# Altium PCB LogBoard.PcbDoc
Units mil, origin at the board's own origin, x right, y up, seen from the top; angles counter-clockwise.
Board outline 3830 x 2505 mil, 2 copper layers (Top Layer, Bottom Layer), stack 12.8 mil thick; 138 components, 85 nets, 466 pads, 94 vias.
Unrouted connection lines stored in the file: 5.
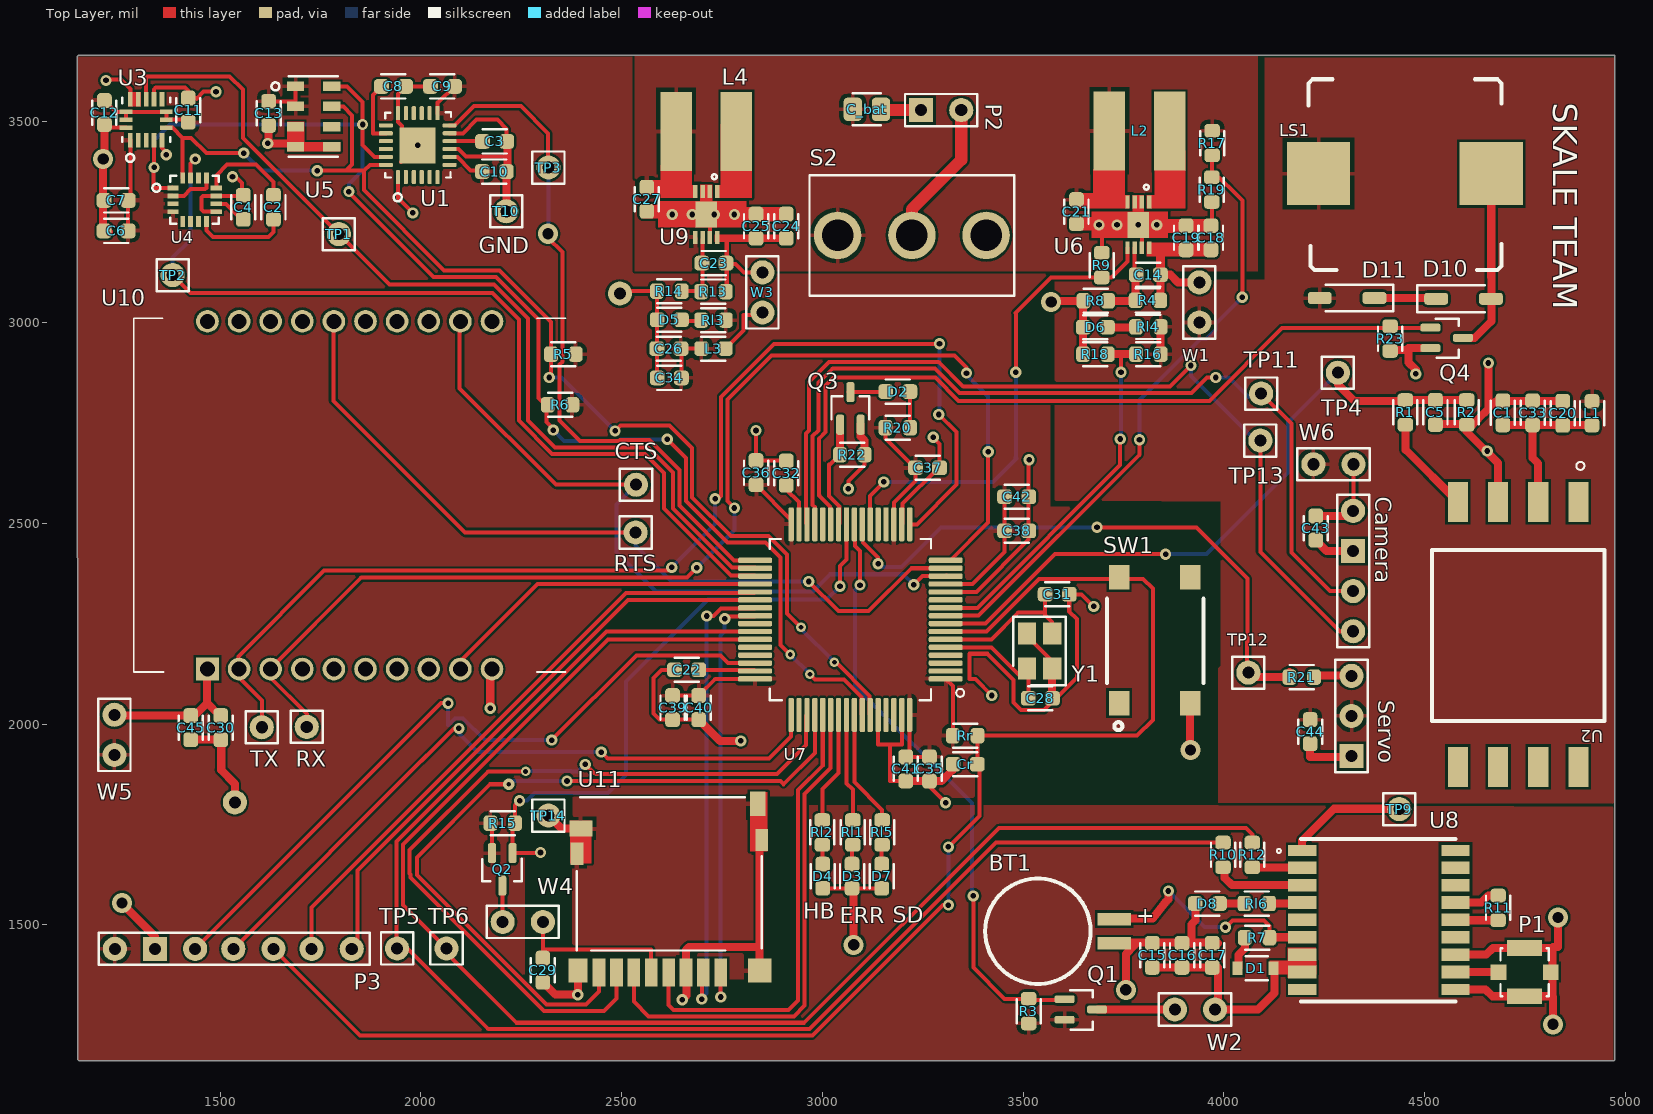
[diagram p0: Top Layer view]
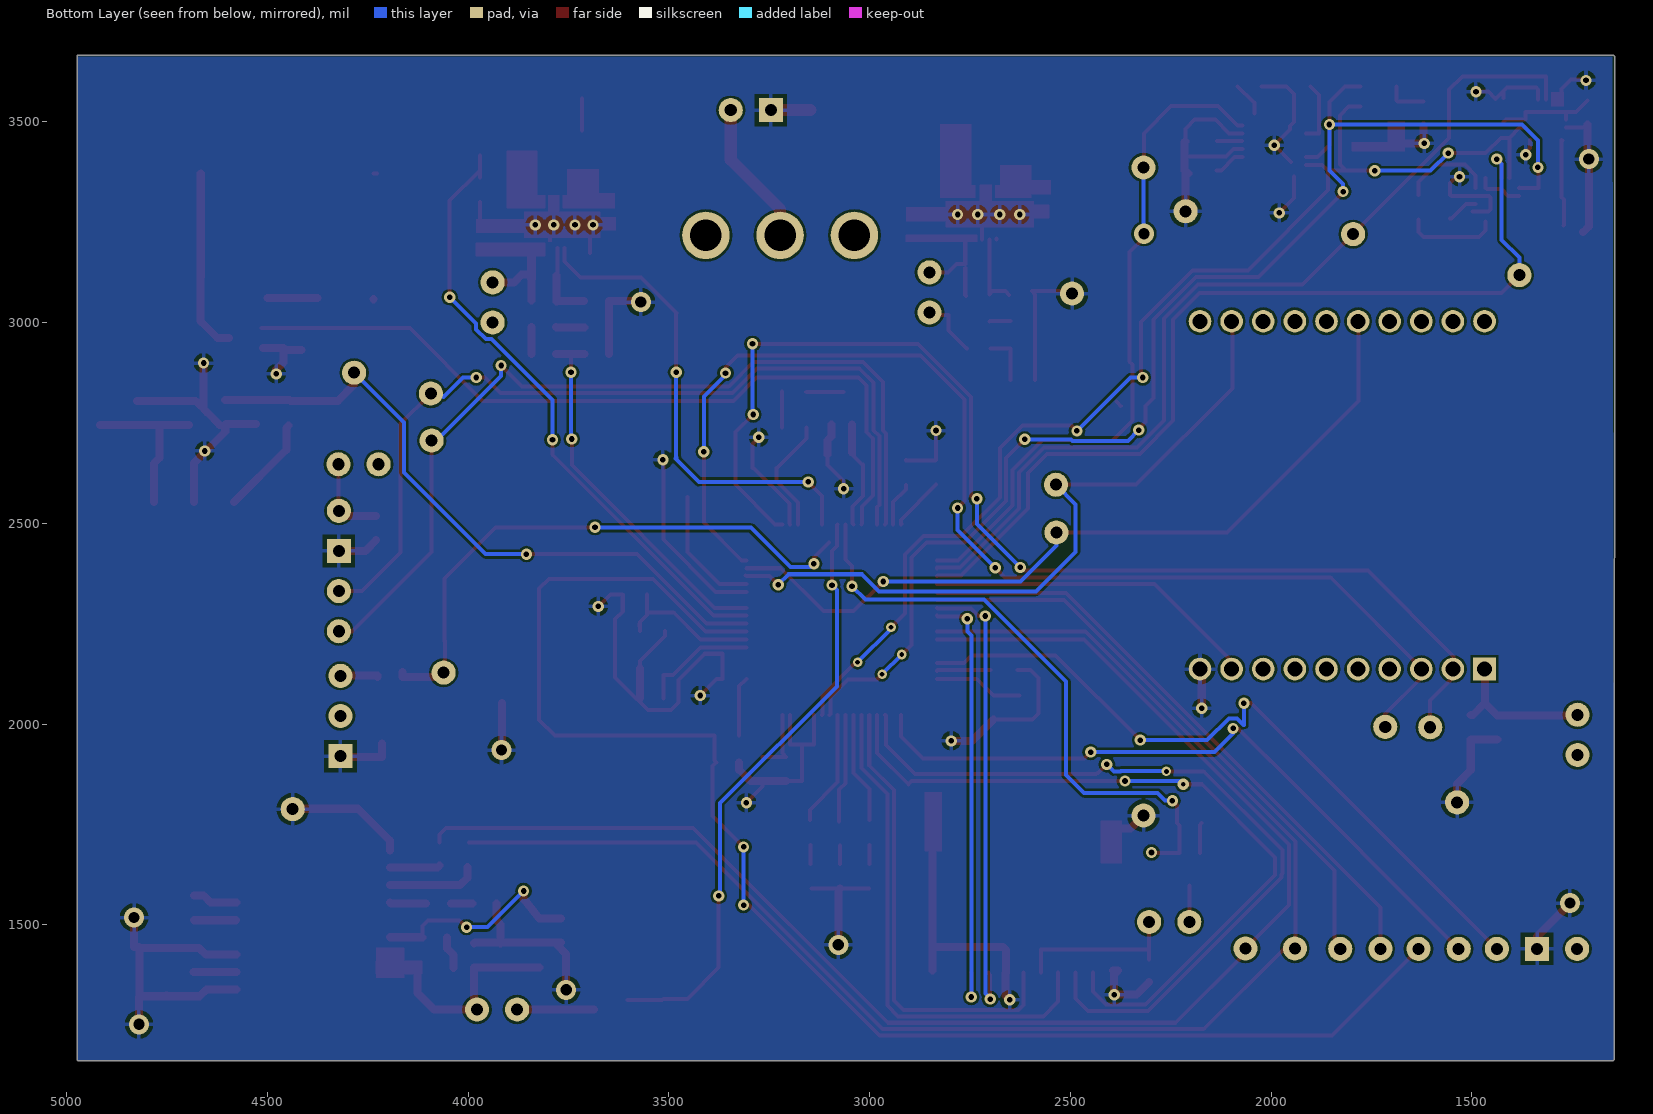
[diagram p1: Bottom Layer view, seen from below]
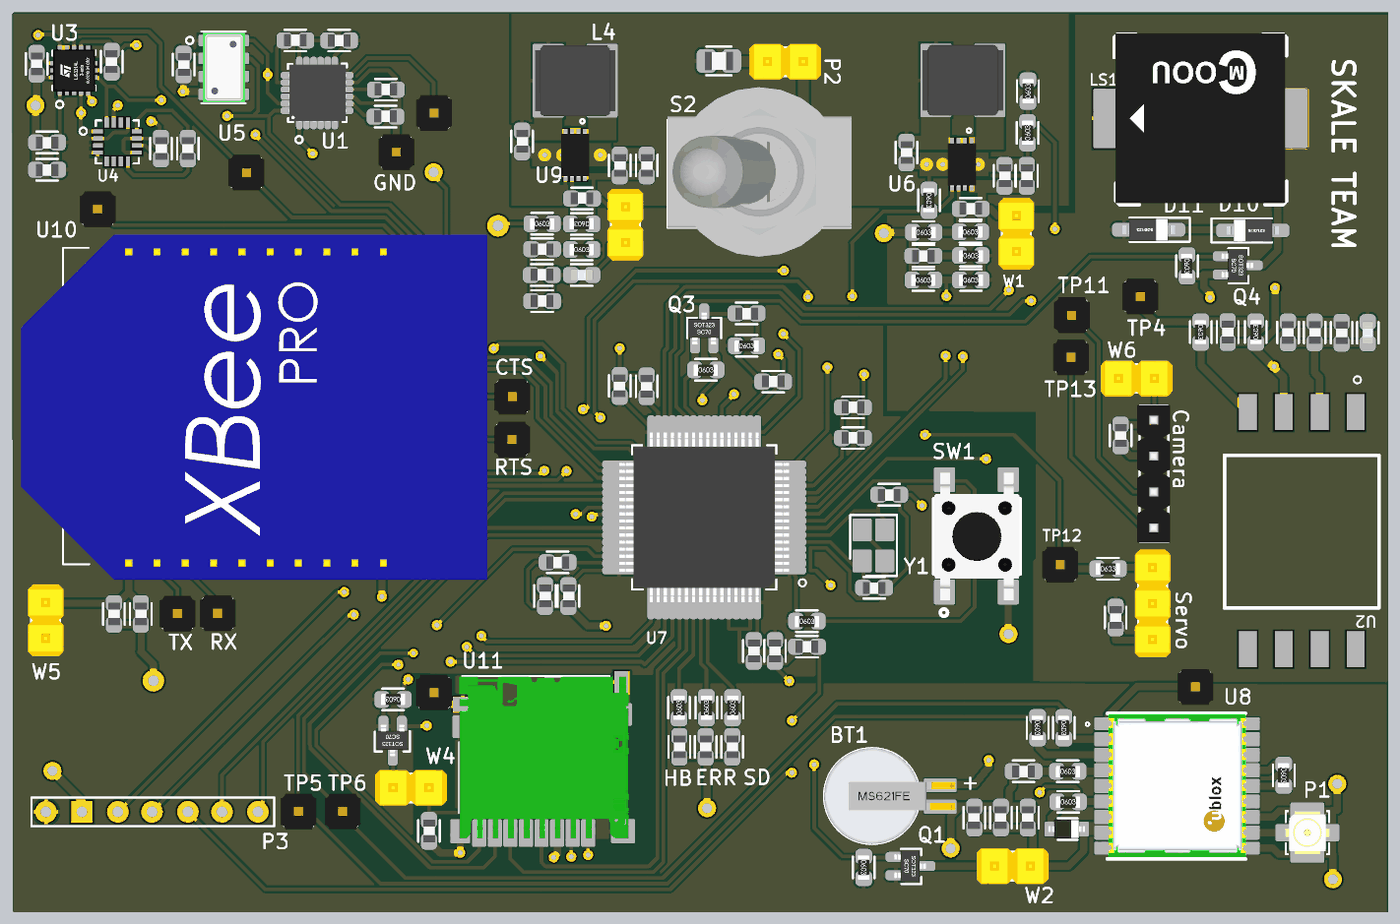
[diagram p2: 3D render of the assembled board from above, using the file's embedded part models]

## Layer stack, top to bottom
Top Solder: solder mask 0.4, Solder Resist, Dk 3.5
Top Layer: signal copper 1.4
Dielectric 1: core 10, FR-4, Dk 4.2
Bottom Layer: signal copper 1.4
Bottom Solder: solder mask 0.4, Solder Resist, Dk 3.5

## Board outline
1144,3662 1148,3666 4974,3666 4974,1163 4972,1161 1149,1161 1146,1164

## Design rules (kind name [scope] priority, off if disabled: settings)
Clearance [All] p1: gap=6 except(7: SMDPad-Text THPad-Text)
Height [All] p1: minheight=0 maxheight=2000 prefheight=500
HoleSize [All] p1: absolutevalues=TRUE maxlimit=250 minlimit=12 maxpercent=80.000 minpercent=20.000
MinimumSolderMaskSliver [All] p1: minsoldermaskwidth=3.94
PasteMaskExpansion [All] p1: expansion=4
PolygonConnect [All] p1: connectstyle=Relief reliefconductorwidth=10 reliefentries=4 polygonreliefangle="90 Angle" airgapwidth=10
RoutingVias [All] p1: holewidth=14 width=28 viastyle="Through Hole" minholewidth=12 minwidth=24 maxholewidth=128 maxwidth=30
SilkToSilkClearance [All] p1: silktosilkclearance=7
SilkToSolderMaskClearance [IsPad] p1: minsilkscreentomaskgap=6 clearancetoexposedcopper=TRUE
SolderMaskExpansion [All] p1: expansion=4
Width [All] p1: maxlimit=60 minlimit=6 preferedwidth=10 minimp=50.000000 maximp=50.000000 favimp=50.000000
24 further rules are at their usual default settings.

## Components (designator, comment, footprint, x,y, rotation, side; value= is the part's Value field where it differs from the comment)
BT1 "Battery" "BAT ANTENNA MS621FE-FL11E" 3727,1484 r0 top
C1 "Cap Semi" CAP_0603 4695,2775 r90 top
C2 "Cap Semi" CAP_0603 1633,3287 r90 top
C3 "Cap Semi" CAP_0603 2184,3451 r0 top
C4 "Cap Semi" CAP_0603 1558,3287 r270 top
C5 "Cap Semi" CAP_0603 4527,2776 r270 top
C6 "Cap Semi" CAP_0603 1241,3228 r180 top
C7 "Cap Semi" CAP_0603 1241,3304 r180 top
C8 "Cap Semi" CAP_0603 1932,3588 r0 top
C9 "Cap Semi" CAP_0603 2054,3588 r180 top
C10 "Cap Semi" CAP_0603 2183,3376 r0 top
C11 "Cap Semi" CAP_0603 1421,3529 r90 top
C12 "Cap Semi" CAP_0603 1212,3523 r270 top
C13 "Cap Semi" CAP_0603 1621,3521 r270 top
C14 "Cap Semi" CAP_0603 3812,3119 r0 top
C15 "Cap Semi" CAP_0603 3822,1424 r90 top
C16 "Cap Semi" CAP_0603 3896,1424 r90 top
C17 "Cap Semi" CAP_0603 3971,1424 r90 top
C18 "Cap Semi" CAP_0603 3968,3211 r270 top
C19 "Cap Semi" CAP_0603 3906,3211 r270 top
C20 "Cap Semi" CAP_0603 4844,2774 r270 top
C21 "Cap Semi" CAP_0603 3633,3276 r270 top
C22 "Cap Semi" CAP_0603 2662,2135 r180 top
C23 "Cap Semi" CAP_0603 2730,3148 r0 top
C24 "Cap Semi" CAP_0603 2910,3240 r270 top
C25 "Cap Semi" CAP_0603 2835,3240 r270 top
C26 "Cap Semi" CAP_0603 2618,2935 r0 top
C27 "Cap Semi" CAP_0603 2563,3307 r270 top
C28 "Cap Semi" CAP_0603 3543,2064 r180 top
C29 "Cap Semi" CAP_0603 2304,1387 r270 top
C30 "Cap Semi" CAP_0603 1502,1991 r270 top
C31 "Cap Semi" CAP_0603 3585,2323 r180 top
C32 "Cap Semi" CAP_0603 2910,2625 r90 top
C33 "Cap Semi" CAP_0603 4769,2775 r270 top
C34 "Cap Semi" CAP_0603 2619,2862 r0 top
C35 "Cap Semi" CAP_0603 3267,1888 r270 top
C36 "Cap Semi" CAP_0603 2835,2626 r90 top
C37 "Cap Semi" CAP_0603 3262,2638 r0 top
C38 "Cap Semi" CAP_0603 3484,2481 r0 top
C39 "Cap Semi" CAP_0603 2627,2041 r270 top
C40 "Cap Semi" CAP_0603 2692,2041 r270 top
C41 "Cap Semi" CAP_0603 3208,1888 r270 top
C42 "Cap Semi" CAP_0603 3484,2566 r0 top
C43 "Cap Semi" CAP_0603 4229,2488 r270 top
C44 "Cap Semi" CAP_0603 4215,1981 r270 top
C45 "Cap Semi" CAP_0603 1427,1991 r270 top
C_bat "Cap Semi" CAP_0805 3111,3531 r0 top (schematic designator C_bat1)
Camera "Camera Connector" "HEADER 4 CAMERA" 4322,2376 r270 top
Cr "Cap Semi" CAP_0603 3356,1900 r180 top
CTS "TP5" TP 2536,2596 r180 top
D1 "" "DIODE(SOD-323 )" 4079,1392 r180 top
D2 "LED2" CAP_0603 3188,2828 r180 top
D3 "LED2" CAP_0603 3074,1621 r270 top
D4 "LED2" CAP_0603 3001,1621 r270 top
D5 "LED2" CAP_0603 2619,3007 r180 top
D6 "LED2" CAP_0603 3680,2988 r180 top
D7 "LED2" CAP_0603 3148,1621 r270 top
D8 "LED2" CAP_0603 3959,1553 r180 top
D10 "D Zener" SOD3715X135M 4597,3059 r0 top
D11 "D Zener" SOD3715X135M 4307,3061 r180 top
L1 "Inductor" "INDUCTOR BLM" 4917,2774 r270 top
L2 "Inductor" "INDUCTOR LQH55D" 3790,3477 r0 top
L3 "Inductor" "INDUCTOR BLM" 2729,2935 r180 top
L4 "Inductor" "INDUCTOR LQH55D" 2711,3476 r0 top
LS1 "Buzzer" BUZZER 4451,3370.83 r180 top
P1 "COAX-M" "SMA CONNECTOR" 4759,1382 r270 top
P2 "Bat Con" BAT 3311,3524 r0 top
P3 "SWD" "HEADER 7 SWD" 1533,1440 r0 top
Q1 "MOSFET-P" "P-MOS (SOT323)" 3644,1289 r270 top
Q2 "MOSFET-P" "P-MOS (SOT323)" 2203,1638 r180 top
Q3 "MOSFET-N" "N-MOS (SOT323)" 3070,2786 r0 top
Q4 "MOSFET-N" "P-MOS (SOT323)" 4555,2961.83 r270 top
R1 "Res3" RES_0603 4452,2776 r270 top
R2 "Res3" RES_0603 4605,2776 r90 top
R3 "Res3" RES_0603 3514,1285 r270 top
R4 "Res3" RES_0603 3811,3055 r0 top
R5 "Res3" RES_0603 2355,2921 r0 top
R6 "Res3" RES_0603 2347,2795 r0 top
R7 "Res3" RES_0603 4083,1468 r0 top
R8 "Res3" RES_0603 3681,3054 r0 top
R9 "Res3" RES_0603 3696,3143 r270 top
R10 "Res3" RES_0603 3998,1674 r270 top
R11 "Res3" RES_0603 4683,1542 r270 top
R12 "Res3" RES_0603 4071,1674 r270 top
R13 "Res3" RES_0603 2729,3077 r180 top
R14 "Res3" RES_0603 2619,3078 r0 top
R15 "Res3" RES_0603 2204,1753 r180 top
R16 "Res3" RES_0603 3812,2921 r0 top
R17 "Res3" RES_0603 3971,3447 r90 top
R18 "Res3" RES_0603 3680,2921 r0 top
R19 "Res3" RES_0603 3970,3331 r90 top
R20 "Res3" RES_0603 3188,2738 r0 top
R21 "Res3" RES_0603 4194,2117 r0 top
R22 "Res3" RES_0603 3074.59,2671 r0 top
R23 "Res3" RES_0603 4414,2960 r270 top
Rl1 "Res3" RES_0603 3076,1730 r90 top
Rl2 "Res3" RES_0603 3000,1730 r90 top
Rl3 "Res3" RES_0603 2729,3006 r0 top
Rl4 "Res3" RES_0603 3812,2989 r0 top
Rl5 "Res3" RES_0603 3149,1730 r90 top
Rl6 "Res3" RES_0603 4082,1553 r0 top
Rr "Res3" RES_0603 3356,1971 r0 top
RTS "TP5" TP 2535,2477 r90 top
RX "TP5" TP 1716,1993 r90 top
S2 "SW-SPDT" SWITCH 3223,3217 r180 top
Servo "Servo_Con" "HEADER 3 SERVO" 4318,2020 r90 top
SW1 "PushButton" "PUSH BUTTON" 3739,2052 r90 top
T10 "GND" TP 2213,3277 r0 top
TP1 "TP1" TP 1796,3220 r0 top
TP2 "TP2" TP 1382,3118 r0 top
TP3 "TP3" TP 2318,3386 r90 top
TP4 "TP4" TP 4284,2875 r180 top
TP5 "TP5" TP 1941,1441 r0 top
TP6 "TP5" TP 2064,1441 r0 top
TP9 "GND" TP 4437,1788 r0 top
TP11 "TP5" TP 4093,2823 r0 top
TP12 "TP5" TP 4061,2128 r270 top
TP13 "TP5" TP 4091,2706 r0 top
TP14 "TP5" TP 2318,1772 r0 top
TX "TP5" TP 1604,1992 r90 top
U1 "MPU6050" MPU6050 1992.43,3441.76 r90 top
U2 "MPXV7002" SOP8_MPXV7002(PRIMARY) 4783,2223 r90 top
U3 "H3LIS331DL" H3LIS_HIGH_G 1316,3505 r90 top
U4 "HMC5883L" HMC5883L 1436.5,3305.5 r0 top
U5 "MS5611-01BA03" MS561101BA03-50 1733,3513 r0 top
U6 "LTC3539-2" LTC3539-2 3787,3243 r270 top
U7 "STM32F405" "MICROCONTROLLER (LQFP)" 3070,2260 r90 top
U8 "MAX-M8W" MAX-M8W 4577,1339 r180 top
U9 "LTC3539-2" LTC3539-2 2711,3269 r270 top
U10 "XBEE Pro Series 1" "XBEE DIP-20" 1823,2570 r0 top
U11 "microSD" HIROSE_DM3DSF 2444,1381 r0 top
W1 "Jumper" "HEADER 2 JUMPER" 3939,3050 r270 top
W2 "Jumper" "HEADER 2 JUMPER" 3928,1289 r180 top
W3 "Jumper" "HEADER 2 JUMPER" 2851,3075 r90 top
W4 "Jumper" "HEADER 2 JUMPER" 2254,1507 r0 top
W5 "Jumper" "HEADER 2 JUMPER" 1237,1973 r270 top
W6 "Jumper" "HEADER 2 JUMPER" 4273,2647 r0 top
Y1 "Crystal" XTAL_TSX_3225 3541,2182 r90 top

## Footprints (in the part's own frame and the unit in brackets; to place one, negate y for a bottom-side part, rotate by r counter-clockwise, add the part's x,y. Pads: shape width x height; smd on the part's side, far side on the other; paste and mask are expansions set on the pad)
BAT [mil]
  rect 60x60 hole 30: 1(-65,5)
  round 60 hole 30: 2(35,5)
  silkscreen extent -105,-35 75,45, body extent -115,-45 85,55, height 374
"BAT ANTENNA MS621FE-FL11E" [mm]
  rect 2.1x0.8 smd: 1(0,0.762) 2(0,-0.762)
  silkscreen extent -8.16,-3.33 -1.49,3.33, body extent -8.23,-3.4 1.07,3.4, height 2.65
BUZZER [mm]
  rect 4x4 smd mask+0.2: 1(-5.461,0) 2(5.461,0)
  silkscreen extent -6.1,-5.97 6.1,6.1, body extent -6,-6 6,6, height 3.07
CAP_0603 [mm]
  rrect49% 0.94x0.93 smd: 1(-0.762,0) 2(0.762,0)
  silkscreen extent -0.76,-0.76 0.76,0.76, body extent -0.8,-0.41 0.8,0.45, height 0.43
CAP_0805 [mm] "Capacitor, Chip; 2.00 mm L X 1.25 mm W X 1.45 mm H body"
  rrect43% 1.16x1.47 smd: 1(-0.889,0) 2(0.889,0)
  silkscreen extent -0.89,-1.02 0.89,1.02, body extent -1,-0.65 1,0.66, height 0.73
"DIODE(SOD-323 )" [mm]
  rect 0.63x0.86 smd: 1(-1.143,0) 2(1.143,0)
  silkscreen extent -0.76,-0.76 0.64,0.76, body extent -1.3,-0.67 1.3,0.68, height 1.1
H3LIS_HIGH_G [mm]
  rect 0.925x0.3 smd paste-25.4 mask-25.4: 1(-1.288,1) 2(-1.288,0.5) 3(-1.288,0) 4(-1.288,-0.5) 5(-1.288,-1) 9(1.288,-1) 10(1.288,-0.5) 11(1.288,0) 12(1.288,0.5) 13(1.288,1)
  rect 0.3x0.8 smd paste-25.4 mask-25.4: 6(-0.5,-1.275) 7(0,-1.275) 8(0.5,-1.275) 14(0.5,1.275) 15(0,1.275) 16(-0.5,1.275)
  silkscreen extent -2.67,-1.52 1.4,1.52, body extent -1.5,-1.53 1.5,1.47, height 1.01
"HEADER 2 JUMPER" [mil]
  round 60 hole 30: 1(-50,0) 2(50,0)
  silkscreen extent -90,-40 90,40, body extent -100,-50 100,50, height 374
"HEADER 3 SERVO" [mil]
  rect 60x60 hole 30: 1(-100,0)
  round 60 hole 30: 2(0,0) 3(100,0)
  silkscreen extent -140,-40 140,40, body extent -150,-50 150,50, height 378
"HEADER 4 CAMERA" [mil]
  round 60 hole 30: 1(-155,0) 3(45,0) 4(145,0)
  rect 60x60 hole 30: 2(-55,0)
  silkscreen extent -195,-40 185,40, body extent -197,-47 187,45, height 91
"HEADER 7 SWD" [mil]
  round 60 hole 30: 1(-295,0) 3(-95,0) 4(0,0) 5(100,0) 6(195,0) 7(295,0)
  rect 60x60 hole 30: 2(-195,0)
  silkscreen extent -335,-40 340,40
HIROSE_DM3DSF [mm]
  rect 0.8x1.75 smd mask+0.089: 1(0,0) 2(1.1,0) 3(2.2,0) 4(3.3,0) 5(4.4,0) 6(5.5,0) 7(6.6,0) 8(7.7,0)
  rect 1.5x1.5 smd: 9(10.16,0.127)
  rect 0.8x1.4 smd: 10(10.287,8.382) 13(-1.397,7.518)
  rect 1x1.55 smd paste-25.4 mask-25.4: 11(10.033,10.668)
  rect 1.45x1 smd paste-25.4 mask-25.4: 12(-1.15,9.112)
  rect 1.2x1.5 smd mask+0.089: 14(-1.346,0.127)
  silkscreen extent -1.42,1.4 10.29,11.1, body extent -1.4,-0.38 10.55,11.07, height 1.55
HMC5883L [mm]
  rect 0.7x0.3 smd paste-25.4 mask-25.4: 1(-1.375,0.75) 2(-1.375,0.25) 3(-1.375,-0.25) 4(-1.375,-0.75) 9(1.375,-0.75) 10(1.375,-0.25) 11(1.375,0.25) 12(1.375,0.75)
  rect 0.3x0.7 smd paste-25.4 mask-25.4: 5(-0.75,-1.375) 6(-0.25,-1.375) 7(0.25,-1.375) 8(0.75,-1.375) 13(0.75,1.375) 14(0.25,1.375) 15(-0.25,1.375) 16(-0.75,1.375)
  silkscreen extent -2.67,-1.52 1.52,1.52
"INDUCTOR BLM" [mm] "Inductor, Chip; 1.60 mm L X 0.80 mm W X 0.90 mm H body"
  rrect51% 0.91x0.93 smd: 1(-0.762,0) 2(0.762,0)
  silkscreen extent -0.76,-0.76 0.76,0.76, body extent -0.8,-0.4 0.8,0.4, height 1
"INDUCTOR LQH55D" [mm]
  rect 2x5 smd: 1(-1.905,0) 2(1.905,0)
  body extent -2.85,-2.5 2.85,2.5, height 4.7
LTC3539-2 [mil]
  rect 32x11 smd paste-1000 mask-1000: 1(-57,27) 2(-57,9) 3(-57,-9) 4(-57,-27) 5(57,-27) 6(57,-9) 7(57,9) 8(57,27)
  rect 65x53 smd paste-1000 mask-1000: 9(0,0)
  silkscreen extent -100,14 -88,26, body extent -61,-39 61,39, height 30
MAX-M8W [mm]
  rect 1.8x0.7 smd mask+0.089: 1(9.7,-8.8) 9(9.7,0) 10(0,0) 18(0,-8.8)
  rect 1.8x0.8 smd mask+0.089: 2(9.7,-7.7) 3(9.7,-6.6) 4(9.7,-5.5) 5(9.7,-4.4) 6(9.7,-3.3) 7(9.7,-2.2) 8(9.7,-1.1) 11(0,-1.1) 12(0,-2.2) 13(0,-3.3) 14(0,-4.4) 15(0,-5.5) 16(0,-6.6) 17(0,-7.7)
  silkscreen extent 0,-9.53 11.3,0.76, body extent -0.02,-9.46 9.68,0.64, height 2.47
"MICROCONTROLLER (LQFP)" [mm] "Quad Flat Pack (QFP), 0.50 mm pitch; square, 16 pin X 16 pin, 10.00 mm L X 10.00 mm W X 1.20 mm H body"
  rrect53% 0.34x2.15 smd: 1(-3.75,-6.03) 2(-3.25,-6.03) 3(-2.75,-6.03) 4(-2.25,-6.03) 5(-1.75,-6.03) 6(-1.25,-6.03) 7(-0.75,-6.03) 8(-0.25,-6.03) 9(0.25,-6.03) 10(0.75,-6.03) 11(1.25,-6.03) 12(1.75,-6.03) 13(2.25,-6.03) 14(2.75,-6.03) 15(3.25,-6.03) 16(3.75,-6.03) 33(3.75,6.03) 34(3.25,6.03) 35(2.75,6.03) 36(2.25,6.03) 37(1.75,6.03) 38(1.25,6.03) 39(0.75,6.03) 40(0.25,6.03) 41(-0.25,6.03) 42(-0.75,6.03) 43(-1.25,6.03) 44(-1.75,6.03) 45(-2.25,6.03) 46(-2.75,6.03) 47(-3.25,6.03) 48(-3.75,6.03)
  rrect53% 2.15x0.34 smd: 17(6.03,-3.75) 18(6.03,-3.25) 19(6.03,-2.75) 20(6.03,-2.25) 21(6.03,-1.75) 22(6.03,-1.25) 23(6.03,-0.75) 24(6.03,-0.25) 25(6.03,0.25) 26(6.03,0.75) 27(6.03,1.25) 28(6.03,1.75) 29(6.03,2.25) 30(6.03,2.75) 31(6.03,3.25) 32(6.03,3.75) 49(-6.03,3.75) 50(-6.03,3.25) 51(-6.03,2.75) 52(-6.03,2.25) 53(-6.03,1.75) 54(-6.03,1.25) 55(-6.03,0.75) 56(-6.03,0.25) 57(-6.03,-0.25) 58(-6.03,-0.75) 59(-6.03,-1.25) 60(-6.03,-1.75) 61(-6.03,-2.25) 62(-6.03,-2.75) 63(-6.03,-3.25) 64(-6.03,-3.75)
  silkscreen extent -5.1,-7.2 5.1,5.1, body extent -6,-6 6,6, height 1.56
MPU6050 [mm] "Quad Flat No-Lead (QFN with Tab), 0.50 mm pitch; square, 6 pin X 6 pin, 4.00 mm L X 4.00 mm W X 0.95 mm H body"
  rrect54% 0.89x0.26 smd mask+0.114: 1(-2.02,1.25) 6(-2.02,-1.25) 13(2.02,-1.25) 18(2.02,1.25)
  rrect54% 0.89x0.26 smd mask+0.127: 2(-2.02,0.75) 3(-2.02,0.25) 4(-2.02,-0.25) 5(-2.02,-0.75) 14(2.02,-0.75) 15(2.02,-0.25) 16(2.02,0.25) 17(2.02,0.75)
  rrect54% 0.26x0.89 smd mask+0.114: 7(-1.25,-2.02) 12(1.25,-2.02) 19(1.25,2.02) 24(-1.25,2.02)
  rrect54% 0.26x0.89 smd mask+0.127: 8(-0.75,-2.02) 9(-0.25,-2.02) 10(0.25,-2.02) 11(0.75,-2.02) 20(0.75,2.02) 21(0.25,2.02) 22(-0.25,2.02) 23(-0.75,2.02)
  rect 2.286x2.286 smd: 25(-0.025,0.025)
  silkscreen extent -3.56,-2.1 2.08,2.06, body extent -2.01,-2.07 2.03,1.97, height 0.88
MS561101BA03-50 [mm]
  rect 1.1x0.6 smd: 1(-1.143,1.905) 2(-1.143,0.635) 3(-1.143,-0.635) 4(-1.143,-1.905) 5(1.143,-1.905) 6(1.143,-0.635) 7(1.143,0.635) 8(1.143,1.905)
  silkscreen extent -2.67,-2.54 1.52,2.54, body extent -1.49,-2.51 1.51,2.49, height 1
"N-MOS (SOT323)" [mm] "Small Outline Transistor (SOT23), 0.65 mm pitch; 3 pin, 0.95 mm L X 1.25 mm W X 1.00 mm H body"
  rrect52% 0.5x1.27 smd: 1(-0.65,-1.03) 2(0.65,-1.03) 3(0,1.03)
  silkscreen extent -1.19,-0.68 1.19,0.76, body extent -1.1,-1.12 1.1,1.12, height 1.1
"P-MOS (SOT323)" [mm]
  rrect52% 0.5x1.27 smd: 1(-0.65,-1.03) 2(0.65,-1.03) 3(0,1.03)
  silkscreen extent -1.22,-0.68 1.27,0.76, body extent -1.1,-1.15 1.1,1.1, height 1.1
"PUSH BUTTON" [mm]
  rect 1.55x1.3 smd: 1(0,0) 2(7.95,0) 3(0,-4.5) 4(7.95,-4.5)
  silkscreen extent -1.71,-5.33 6.6,0.76, body extent -0.56,-5.29 8.44,0.71, height 5
RES_0603 [mm] "Resistor, Chip; 1.60 mm L X 0.85 mm W X 0.55 mm H body"
  rrect51% 0.87x0.98 smd: 1(-0.78,0) 2(0.78,0)
  silkscreen extent -0.76,-0.76 0.76,0.76, body extent -0.85,-0.42 0.85,0.38, height 0.56
"SMA CONNECTOR" [mm]
  rect 1x1 smd: 1(0,-1.905) 3(0,1.397)
  rect 1x2.2 smd: 2(-1.524,-0.254) 4(1.524,-0.254)
  silkscreen extent -1.52,-1.78 1.52,1.27, body extent -1.5,-1.8 1.5,1.3, height 1.3
SOD3715X135M [mm] "Small Outline Diode (SOD); 2.70 mm L X 1.55 mm W X 1.35 mm H body"
  rrect50% 1.51x0.76 smd: 1(1.73,0) 2(-1.73,0)
  silkscreen extent -2.92,-0.85 1.35,0.85, body extent -1.85,-0.8 1.85,0.8, height 1.27
SOP8_MPXV7002(PRIMARY) [mil]
  rect 100x50 smd paste-1000 mask-1000: 1(330,-100) 2(330,0) 3(330,100) 4(330,200) 5(-330,200) 6(-330,100) 7(-330,0) 8(-330,-100)
  silkscreen extent -215,-165 430,265
SWITCH [mm]
  round 3 hole 2: 1(-4.7,0) 2(0,0) 3(4.698,0)
  silkscreen extent -6.48,-3.81 6.48,3.81, body extent -6.53,-6.12 6.48,5.87, height 34.71
TP [mil]
  round 60 hole 30: 0(0,0)
  silkscreen extent -40,-40 40,40, body extent -50,-50 50,50, height 318
"XBEE DIP-20" [mm] "DIPS, 22.00 mm lead span, 2.00 mm pitch; 20 pin, 27.31 mm L X 22.38 mm W X 7.00 mm H body"
  rect 1.43x1.43 hole 0.95 paste-1.43: 1(-9,-11)
  round 1.43 hole 0.95 paste-1.43: 2(-7,-11) 3(-5,-11) 4(-3,-11) 5(-1,-11) 6(1,-11) 7(3,-11) 8(5,-11) 9(7,-11) 10(9,-11) 11(9,11) 12(7,11) 13(5,11) 14(3,11) 15(1,11) 16(-1,11) 17(-3,11) 18(-5,11) 19(-7,11) 20(-9,11)
  silkscreen extent -13.66,-11.19 13.66,11.19, body extent -16.6,-12.27 16.34,12.11, height 9.55
XTAL_TSX_3225 [mm] "Crystal, Dual Flat No-Lead (DFN 4 Pins), 2.00 mm pitch; 4 pin, 3.20 mm L X 2.50 mm W X 0.60 mm H body"
  rect 1.4x1.15 smd: 1(-1.1,0.8) 2(1.1,0.8) 3(1.1,-0.8) 4(-1.1,-0.8)
  silkscreen extent -2.16,-1.65 2.16,1.65

## Part data
BT1: "Multicell Battery"
C1 C2 C3 C4 C5 C6 C7 C8 C9 C10 C11 C12 C13 C14 C15 C16 C17 C18 C19 C20 C21 C22 C23 C24 C25 C26 C27 C28 C29 C30 C31 C32 C33 C34 C35 C36 C37 C38 C39 C40 C41 C42 C43 C44 C45 C_bat Cr: "Capacitor (Semiconductor SIM Model)"
Camera: library part "Header 4", "Header, 4-Pin"